# KiCad board glasgow_revD0.kicad_pcb (continued)
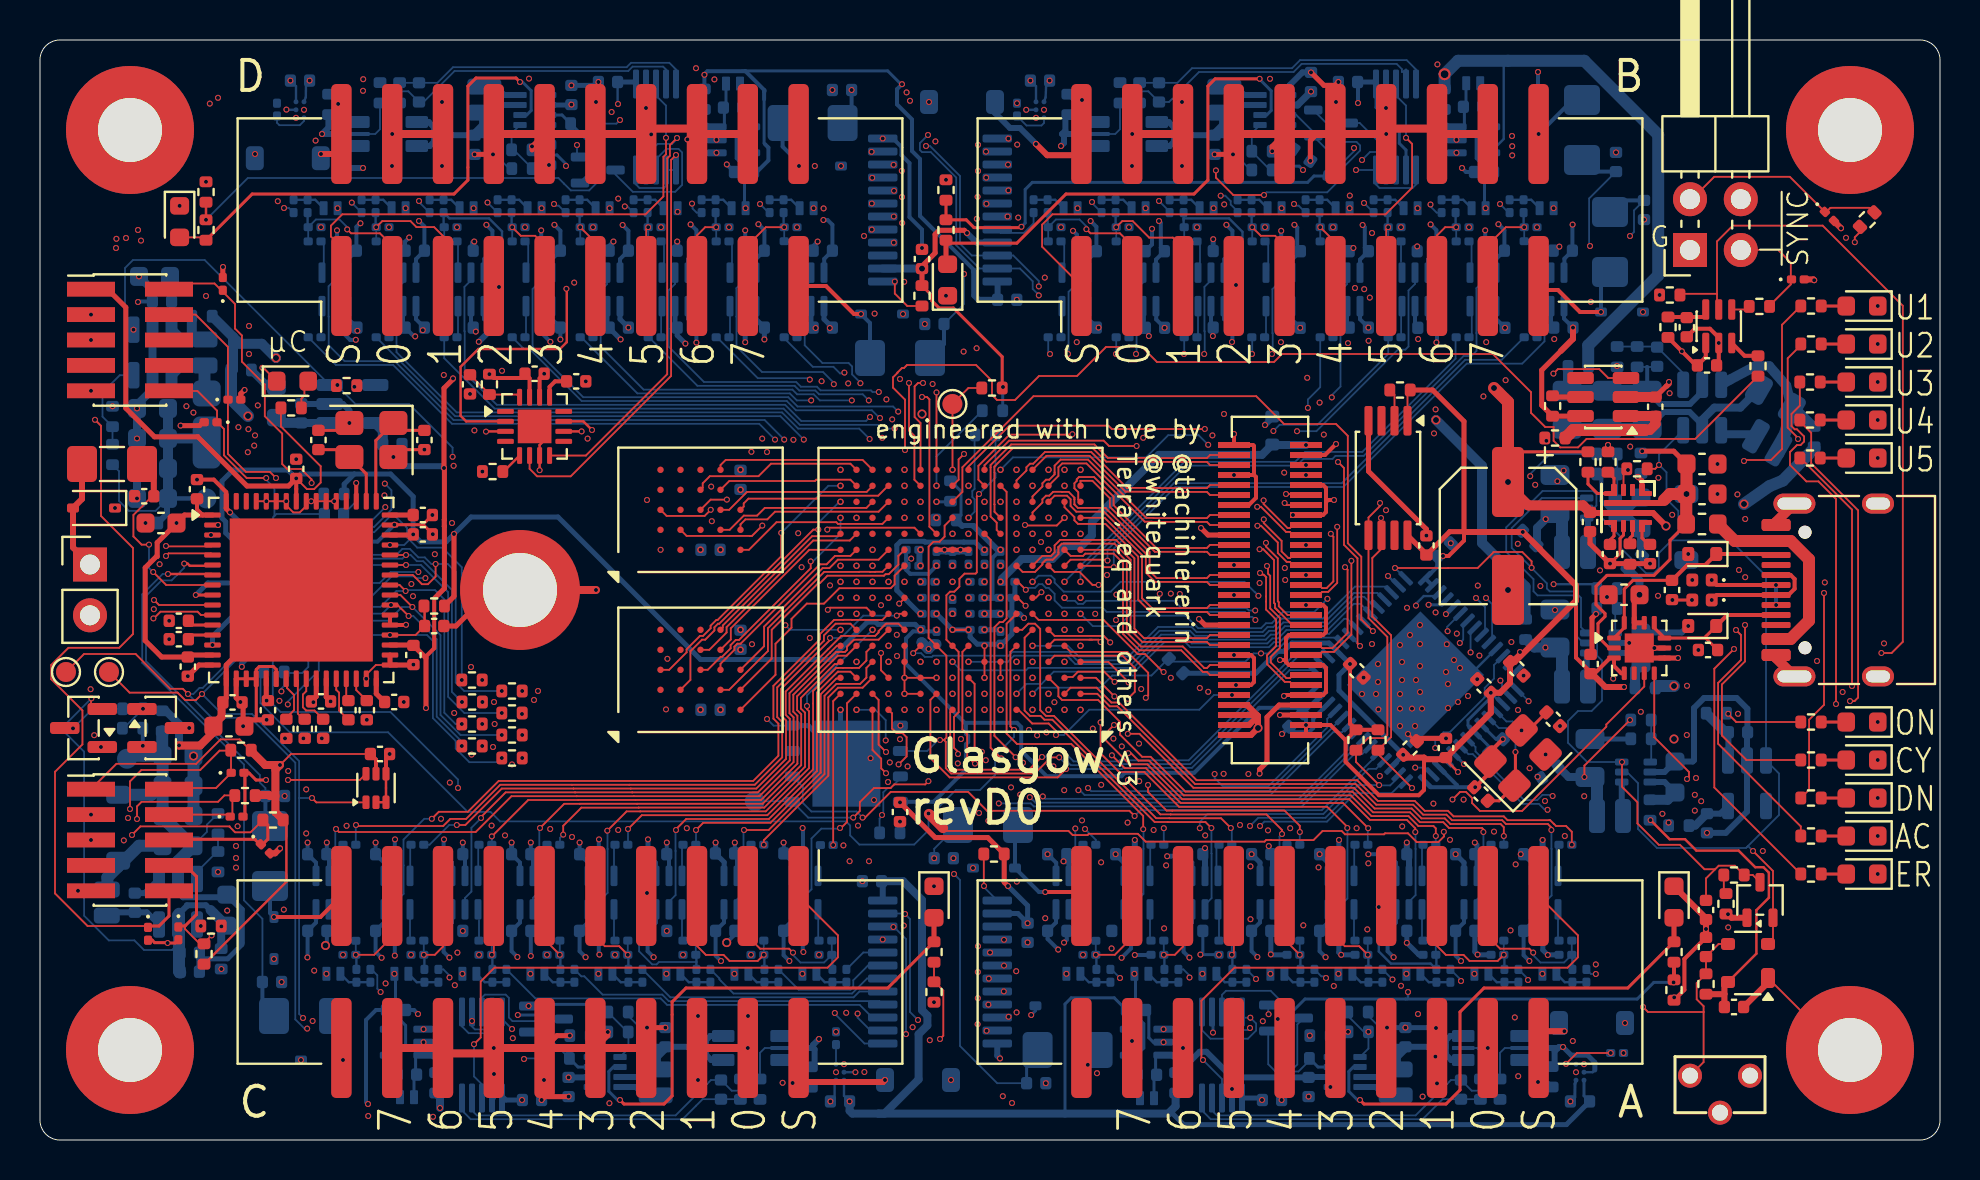
[diagram p0: board, top side]
## Routing (per net, layer and track width the routed paths; a pad name or vN(x,y) marks a point on that pad's centre or on a via; arc(x,y) is an arc through that point) (continued)
/SCLK: length 23.2
  In2.Cu w0.09: v1(24.11,22.45) 24.11,22.16 24.57,21.69 25.95,21.69 26.33,22.08 41.68,22.08 41.94,21.81 46.12,21.81 v1(46.43,21.51)
/SDA: length 248.9
  Top w0.09: v1(7.4,22.3) 7.14,22.56 6.52,22.56 4.78,24.3 2.2,24.3 TP1.1 ; v1(12.4,18) 12.41,18 15.99,18 U3.6 ; v1(66.96,17.75) 65.8,18.9 R7.1 66.4,20.09 67.2,20.09 67.37,20.26 67.37,25.16 66.43,26.1 U1.5 66.43,31.12 67,31.7 v1(67,31.85) ; v1(31.85,50.1) 31.5,49.75 31.5,49.21 31.36,49.08 31.36,38.29 27.29,34.22 U21.8 ; v1(70.62,17.03) 71,17.41 71.3,17.41 71.6,17.1 71.6,16.84 72,16.45 74.1,16.45 78.31,20.67 78.31,20.78 80.21,22.67 U4.6
  In2.Cu w0.09: 60.5,5.7 v1(60.5,5.6) 60.82,5.92 60.82,6.24 60.6,6.47 59.67,6.47 ; v1(44.4,50.25) 43.95,50.25 43.3,50.9 32.7,50.9 31.9,50.1 v1(31.85,50.1) ; v1(66.21,42.54) 66.21,42.44 66,42.23 60.05,42.23 59.98,42.16 59.42,42.16 59.35,42.23 v1(49.94,42.23) ; v1(13.36,5.57) 13.37,5.56 18.73,5.56 19.01,5.85 19.3,5.85 19.48,5.67 20.87,5.67 21.15,5.95 v1(21.6,5.95) 23.62,5.95 23.62,5.94 29.67,5.94 29.85,6.13 32.13,6.13 32.7,6.7 38.94,6.7 39.64,6 v1(43.9,6) 45.35,6 46.25,5.1 48.86,5.1 50.22,6.47 59.74,6.47 ; v1(70.62,17.03) 70.51,17.14 67.56,17.14 v1(66.96,17.75)
  In3.Cu w0.09: v1(44.03,23.91) 43.72,23.61 43.72,21.38 44,21.1 44,14.15 43.55,13.7 43.55,11.6 v1(43.25,11.3) ; v1(67,31.85) 66.05,32.8 66.05,42.28 66.21,42.44 v1(66.21,42.54) 66.28,42.61 66.28,45.47 66.5,45.69 66.5,48.59 v1(66.1,49) ; v1(60.5,5.6) 60.5,5.7 60.17,6.03 60.17,15.37 v1(60.5,15.7)
  Bottom w0.09: 59.7,5.75 59.95,5.5 60.4,5.5 v1(60.5,5.6) ; U70.4 30.3,49.22 30.88,49.81 31.6,49.81 31.85,50.05 v1(31.85,50.1) ; U24.23 43.22,11.33 v1(43.25,11.3) 43.5,11.05 43.5,6.4 v1(43.9,6) ; U58.2 21.6,5.68 21.75,5.53 22.27,5.53 22.6,5.86 U58.4 ; U2.16 67.93,18.15 67.51,17.73 66.97,17.73 v1(66.96,17.75) 65.91,17.75 64.27,16.11 60.91,16.11 v1(60.5,15.7) ; U46.4 67.3,49.22 67.12,49.4 66.5,49.4 v1(66.1,49) ; v1(13.36,5.57) 13.22,5.57 12.76,6.03 12.76,18 ; v1(12.4,18) 12.76,18 ; 12.76,18 12.76,18.86 10.52,21.11 8.59,21.11 v1(7.4,22.3) 7.67,22.3 7.97,22.61 8.14,22.61 10.52,24.99 10.52,26.32 10.99,26.79 U6.27 ; v1(49.94,42.23) 49.94,42.25 49.63,42.55 49.63,42.94 49,43.58 U25.23 46.97,43.58 45.81,44.74 45.81,48.12 44.54,49.39 44.1,49.39 44,49.5 44,49.84 v1(44.4,50.25)
/SYNC: length 33.6
  In2.Cu w0.09: v1(49.62,23.91) 49.13,23.42 48.62,23.42 48.54,23.5 47,23.5 46.89,23.61 43.02,23.61 42.91,23.5 21.9,23.5 21.61,23.21 21.61,21.62 21.8,21.43 21.8,20.67 21.98,20.5 22.9,20.5 22.96,20.56 23.22,20.56 23.28,20.5 23.86,20.5 v1(24.11,20.25)
/USB/CC1: length 7.7
  Top w0.15: D8.1 83.3,25.19 83.3,25.1 ; 80.71,25.61 U4.10 83.3,25.1 ; C14.1 83.3,25.08 83.3,25.1
  Top w0.2: J1.A5 84.36,26.25 D8.1
/USB/CC2: length 10.7
  Top w0.15: C15.1 79.65,27.98 79.21,27.55 U4.14 ; 79.21,25.61 U4.1
  Top w0.2: 86.75,29.3 D9.1 83.26,28.75 82.37,28.75 C15.1
/USB/VUSB: length 18.8
  Top w0.15: U4.2 78.46,24.6 77.9,25.16 77.9,25.83 78.25,26.18 78.25,26.32 77.8,26.77 77.8,27.68 78.35,28.23 80.7,28.23 81.5,29.03 81.5,29.99 FB1.2
  Top w0.25: v1(80.11,34.44) 81.69,34.44 C18.2
  Top w0.3: 81.2,32 81.05,31.85 U5.5
  Top w0.6: C18.2 v3(82.32,32.3) 81.5,32.3 81.2,32 ; FB1.2 82.31,32.29
/USB/xVBUS: length 10.4
  Top w0.6: FB1.1 84.74,29.95 J1.A9 87.53,29.95 88.45,29.03 88.45,25.97 87.53,25.05 J1.A4
/USB_N: length 30.8
  Top w0.2: v1(83.59,28) 83.84,27.75 v1(86.8,27.75)
  In2.Cu w0.09: v1(75.38,16.51) 75.38,16.55 75.63,16.8 75.85,16.8 76.39,16.27 77.08,16.27 77.62,16.81 82.74,16.81 82.88,16.94 v1(83.06,16.94)
  In3.Cu w0.09: v1(83.59,28) 83.78,27.81 83.78,27.62 83.28,27.13 83.28,26.87 83.4,26.76 83.4,18.07 83.1,17.78 83.09,17.78 82.88,17.56 82.61,17.56 82.44,17.39 82.44,17.13 82.61,16.95 83.05,16.95 v1(83.06,16.94)
  Bottom w0.09: v1(75.38,16.51) 75.34,16.55 75.2,16.55 74.95,16.8 74.13,16.8 71.64,19.29 71.42,19.29 U2.9
  Bottom w0.2: v1(86.81,26.75) 86.8,26.75 v1(86.8,27.75)
/USB_P: length 29.2
  Top w0.2: J1.B6 87.53,28.25 87.73,28.05 87.73,27.56 87.42,27.25 ; J1.A6 83.84,27.25 v1(83.59,27)
  In2.Cu w0.09: v1(82.74,17.26) 82.74,17.08 82.67,17 77.54,17 77,16.45 76.47,16.45 75.93,17 75.7,17 75.6,17.1 75.6,17.17 v1(75.63,17.2)
  In3.Cu w0.09: v1(83.59,27) 83.59,17.92 82.92,17.26 v1(82.74,17.26)
  Bottom w0.09: v1(75.63,17.2) 75.6,17.2 75.54,17.25 75.12,17.25 74.86,17 74.21,17 71.77,19.43 71.77,19.65 U2.8
/WR: length 36
  In2.Cu w0.09: v1(46.05,20.05) 46.1,20 49.24,20 49.31,19.93 49.98,19.93 49.98,19.93 52.51,19.93 53.16,20.58 53.34,20.75 53.34,20.82 53.82,21.3 61.25,21.3 61.5,21.06 61.5,20.47 62.07,19.9 64.35,19.9 65.65,21.2 71.3,21.2 72,21.9 72,22.38 72.53,22.91 72.96,22.91 v1(73.02,22.97)
  In3.Cu w0.09: v1(44.82,23.91) 44.52,23.61 44.52,21 45.08,20.44 45.5,20.44 45.89,20.05 v1(46.05,20.05)
  Bottom w0.09: 73.5,22.18 73.1,22.58 73.1,22.89 v1(73.02,22.97)
/XTALIN: length 5.8
  Top w0.15: C11.2 72.96,16.96 73.77,17.77 v1(73.77,19.4)
  Bottom w0.09: v1(73.77,19.4) 73.77,20.13 73.3,20.6 72.94,20.6 U2.5
/XTALOUT: length 3.3
  Top w0.15: v1(74.08,20.48) 74.42,20.48 C10.2
  Bottom w0.09: v1(74.08,20.48) 73.63,20.93 73.32,20.93 U2.4
/~{ALERT}: length 148.9
  Top w0.09: v1(61.2,47.25) 59.66,47.25 58.8,48.12 v1(58.8,48.48)
  In2.Cu w0.09: v1(24.7,22) 25.74,22 26.01,22.27 42.04,22.27 42.3,22 49.32,22 v1(49.62,22.31) ; v1(26.85,49.75) 26.85,49.35 27.25,48.94 33.97,48.94 34.23,49.2 40.17,49.2 40.7,49.73 43.39,49.73 43.73,49.39 44.84,49.39 45.84,50.38 48.79,50.38 50.16,49 58.27,49 v1(58.8,48.48)
  In3.Cu w0.09: v1(24.43,6.7) 24.43,7.03 23.56,7.89 23.56,14.43 24.55,15.41 24.55,21.85 v1(24.7,22) ; v1(61.43,6.29) 61.43,6.38 61.84,6.8 61.84,15 61.75,15.09 61.75,20.38 62.38,21.01 62.38,21.31 60.9,22.79 60.9,24.18 v1(61.05,24.33) 61.05,24.4 60.15,25.3 60.15,46.2 v1(61.2,47.25)
  Bottom w0.09: D101.2 27,49.2 26.85,49.35 v1(26.85,49.75) ; U2.33 64.93,24.9 64.71,25.12 62.48,25.12 62.06,24.7 61.77,24.7 61.4,24.33 v1(61.05,24.33) 60.68,24.33 60.27,23.92 56.58,23.92 R9.1 56.41,24.06 55.57,23.22 53.61,23.22 53,22.61 49.93,22.61 v1(49.62,22.31) ; v1(61.43,6.29) 61.43,6.34 61.41,6.36 D41.2 ; D61.2 65.26,49.91 65.83,49.91 66,49.73 66,49.47 64.94,48.41 64.94,47.97 64.36,47.39 61.34,47.39 v1(61.2,47.25)
  Bottom w0.25: v1(24.43,6.7) D81.2
/~{CY_RESET}: length 43.2
  Top w0.09: v1(67.75,28.6) 69.89,28.6 69.9,28.59 70.4,28.59 70.41,28.6 71.88,28.6 72.68,29.4 74.12,29.4 74.58,28.94 v1(74.58,28.61) ; 83.76,13.54 83.22,13.54 82,14.76 80.94,14.76 79.87,15.83 79.87,16.89 79.1,17.66 v1(79.1,18.9) ; 83.76,13.54 83.94,13.72 84.74,13.72 R68.2 85.64,13.25 D37.3 ; 83.76,13.54 83.3,13.08 C92.1
  Bottom w0.09: v1(67.75,28.6) 68.27,28.08 U2.42 ; U18.6 77.36,18.9 76.4,19.86 76.4,20.95 76.9,21.45 77.58,21.45 78.1,21.97 78.1,23.97 77.85,24.22 77.85,25.17 77.67,25.35 U14.6 77.05,25.64 77.05,27.11 76.73,27.43 75.49,27.43 75.34,27.57 75.34,27.83 74.58,28.59 v1(74.58,28.61) 73.59,29.61 73.59,30.59 75.09,32.1 U13.6
/~{FPGA_RESET}: length 130.5
  Top w0.09: U8.R9 45.93,33.02 45.93,34.03 v1(46.2,34.3) ; 5.47,10.7 2.38,10.7 0.75,12.33 0.75,18.41 2.12,19.78 2.12,21.48 0.56,23.04 0.56,23.75 1.42,24.61 3.96,24.61 4.65,25.3 4.65,29.6 3.05,31.2 3.05,35.71 v1(2.75,36.01) ; U20.3 78.41,38.1 77.97,38.54 75.89,38.54 v1(75.67,38.32) ; v1(64.9,33.9) 65.2,33.6 65.2,29.76 65.87,29.09 65.87,24.83 v1(66,24.7)
  Top w0.15: 5.47,10.7 5.95,10.7 6.45,11.2 J5.10
  In2.Cu w0.09: v1(75.67,38.32) 71.25,33.9 v1(64.9,33.9) 64.41,34.39 53.48,34.39 53.3,34.58 50.59,34.58 50.41,34.39 46.29,34.39 v1(46.2,34.3) 45.69,34.81 43,34.81 42.57,34.39 37.43,34.39 37.09,34.72 27.09,34.72 26.45,34.08 22.43,34.08 21.67,34.84 12.72,34.84 11.61,33.74 9.95,33.74 8.31,35.38 3.39,35.38 2.76,36.01 v1(2.75,36.01)
  Bottom w0.09: v1(66,24.7) 66,24.71 U2.34
CFG0: length 30.8
  In2.Cu w0.09: v1(18.92,28.4) 19.85,28.4 21.96,30.51 35.47,30.51 35.99,31.03 39.54,31.03 39.79,30.78 44.5,30.78 v1(44.82,31.11)
  Bottom w0.09: U6.14 16.98,27.85 17.53,28.4 v1(18.92,28.4)
CFG2: length 37.9
  In2.Cu w0.09: v1(19.27,28.09) 19.32,28.15 19.9,28.15 21.86,30.11 36.51,30.11 36.6,30.02 38.42,30.02 38.62,30.22 39.49,30.22 39.87,30.59 44.79,30.59 45.13,30.93 45.13,32.41 v1(44.82,32.71)
  Bottom w0.09: v1(19.27,28.09) 18.79,28.09 18.71,28.18 17.58,28.18 16.55,27.15 U6.15 ; R57.2 44.82,34.17 44.82,33.61 44.82,33.61 v1(44.82,32.71)
FLASH_~{HOLD}: length 40.3
  In2.Cu w0.09: v1(42.1,16.25) 41.45,16.25 40.3,17.4 21.1,17.4 v1(20.9,17.6)
  Bottom w0.09: U6.23 11.64,24.66 11.64,21.79 12.03,21.4 17.52,21.4 20.9,18.02 v1(20.9,17.6) ; U9.7 43.02,18.09 42.53,17.59 42.38,17.59 42.16,17.39 42.16,16.31 v1(42.1,16.25) 42.1,16.2 41.98,16.07 R39.2
LS_3V3: length 223.1
  Top w0.2: U10.1 83.29,39.15 C70.1 82.8,38.73 R48.2
  Top w0.25: 76.05,39.46 75.09,38.49 75.09,36.74 R72.2 77.02,36.19 U20.6
  Top w0.3: 76.05,39.46 76.65,40.06 v1(76.65,40.62)
  In2.Cu w0.25: v1(74.04,14.29) v1(70.78,14.29) v1(66.42,14.29) v1(63.98,14.29) v1(60.58,14.29) 60.39,14.29 60.29,14.19 v1(56.36,14.19) 53.88,14.19 v1(53.78,14.29) 51.36,14.29 51.34,14.32 50.41,14.32 v1(50.38,14.29) 50.38,14.3 50.07,14.61 40.86,14.61 40.27,15.2 37.51,15.2 v1(37.18,14.87) 36.77,14.46 36.51,14.46 36.37,14.33 36.01,14.33 35.87,14.46 34.19,14.46 v1(33.78,14.87) 33.4,14.49 30.94,14.49 v1(30.4,15.03) 30.01,14.64 27.21,14.64 v1(26.98,14.87) 26.59,14.49 23.97,14.49 v1(23.58,14.87) 23.19,14.49 20.74,14.49 v1(20.2,15.03) 19.81,14.64 17.01,14.64 v1(16.78,14.87) 16.4,14.49 13.76,14.49 v1(13.38,14.87)
  In2.Cu w0.3: v1(82.1,39.44) 81.94,39.28 81.01,39.28 80.26,40.03 77.24,40.03 v1(76.65,40.62) 76.29,40.62 76.16,40.49 73.68,40.49 73.56,40.61 v1(73.25,40.61) 72.86,40.61 72.75,40.5 70.44,40.5 v1(69.82,39.88) 69.2,40.5 66.89,40.5 66.77,40.62 v1(66.42,40.62) 66.11,40.62 66.1,40.61 v1(63.01,40.61) 60.31,40.61 v1(59.6,39.9) 58.89,40.61 v1(56.23,40.61) 53.2,40.61 53.19,40.62 44.64,40.62 44.41,40.39 39.39,40.39 39.03,40.03 v1(36.22,40.03) 36.22,40.04 35.86,40.4 33.35,40.4 v1(32.82,39.87) 32.25,40.44 29.83,40.44 29.65,40.62 v1(29.42,40.62) 27.61,40.62 27.49,40.5 26.49,40.5 v1(26.02,40.03) 25.7,40.35 23.09,40.35 22.65,39.91 v1(21.94,39.91) 20.28,39.91 19.57,40.62 19.27,40.62 v1(19.14,40.49) 19.01,40.62 16.03,40.62 v1(15.87,40.46)
  In3.Cu w0.25: v1(76.65,40.62) 76.65,18.34 76.69,17.59 76.64,17 75.96,16.19 75.19,15.89 74.04,14.73 v1(74.04,14.29)
  Bottom w0.2: U62.1 15.4,41.07 15.87,40.6 v1(15.87,40.46) ; U48.1 76.2,41.07 v1(76.65,40.62) ; v1(56.23,40.61) 55.81,41.03 55.81,41.68 U41.1 ; v1(63.01,40.61) 62.6,41.02 U47.1 ; U54.1 20.6,13.87 C180.2 20.18,15.01 v1(20.2,15.03) ; U42.1 69.4,41.06 C155.2 69.85,39.91 v1(69.82,39.88) ; C211.2 22.2,41.04 U67.1 ; U56.1 17.2,13.87 C187.2 v1(16.78,14.87) ; U60.1 13.8,13.87 C194.2 v1(13.38,14.87) ; v1(66.42,14.29) C136.2 67.8,13.87 U31.1 ; v1(26.98,14.87) C193.2 27.4,13.87 U59.1 ; v1(50.38,14.29) 50.81,13.86 50.81,13.22 U36.1 ; U55.1 30.8,13.87 C186.2 ; U51.1 24,13.87 C176.2 ; v1(32.82,39.87) C205.2 32.4,41.04 U66.1 ; U50.1 37.6,13.92 C175.2 37.19,14.86 v1(37.18,14.87) ; U65.1 18.8,41.04 19.14,40.7 v1(19.14,40.49) ; U43.1 59.2,41.04 C161.2 59.62,39.92 v1(59.6,39.9) ; v1(73.25,40.61) 72.8,41.06 U44.1 ; U71.1 25.6,41.04 C218.2 v1(26.02,40.03) ; v1(66.42,40.62) 66,41.04 U39.1
  Bottom w0.25: U27.1 61,13.87 v1(60.58,14.29) ; v1(70.78,14.29) 71.2,13.87 U29.1 ; U32.1 54.21,13.22 54.21,13.86 v1(53.78,14.29) ; U63.1 29,41.04 v1(29.42,40.62) ; C219.2 39.2,41.04 U72.1 ; v1(36.22,40.03) C212.2 35.8,41.04 U68.1 ; v1(23.58,14.87) C176.2 ; C186.2 30.4,14.31 v1(30.4,15.03) ; U38.1 52.4,41.04 C150.2 ; C125.2 74.61,13.86 74.61,13.22 U26.1 ; v1(33.78,14.87) 33.78,14.34 C179.2 34.21,13.89 34.21,13.22 U53.1 ; U35.1 64.4,13.87 v1(63.98,14.29) ; U30.1 57.59,13.22 57.59,13.88 C130.2 57.08,14.19 v1(56.36,14.19)
  Bottom w0.3: C211.2 22.62,40.59 v1(21.94,39.91)
  vias: v1(39.49,40.6) v1(52.93,40.62)
Net-(D1-A): length 1.3
  Top w0.15: D1.2 R1.2
Net-(D2-A): length 1.3
  Top w0.15: R2.2 D2.2
Net-(D3-A): length 1.3
  Top w0.15: D3.2 R3.2
Net-(D4-A): length 1.3
  Top w0.15: R4.2 D4.2
Net-(D5-A): length 1.3
  Top w0.15: D5.2 R5.2
Net-(D14-A): length 1.5
  Top w0.09: R28.2 13.07,37.07 13.22,37.22 13.22,37.75 D14.2
Net-(D24-A): length 1.3
  Top w0.15: D24.2 R41.2
Net-(D25-A): length 1.3
  Top w0.15: R42.2 D25.2
Net-(D26-A): length 1.3
  Top w0.15: D26.2 R43.2
Net-(D27-A): length 1.3
  Top w0.15: R44.2 D27.2
Net-(D28-A): length 1.3
  Top w0.15: D28.2 R45.2
Net-(D35-K): length 10.6
  Top w0.09: 89.3,46.39 89.52,46.61 91.49,46.61 R58.1 ; 82.51,46.96 83.71,48.16 87.49,48.16 D35.1
Net-(D42-A): length 2.9
  Bottom w0.15: R93.2 56.78,3.97 56.51,4.24 ; 55.78,4.14 55.78,3.38 ; D42.2 55.7,3.2
Net-(D43-A): length 1.7
  Bottom w0.12: R118.1 R110.2 76.24,7.89 D43.2
Net-(D44-A): length 1.7
  Bottom w0.12: R119.1 R111.2 72.84,7.89 D44.2
Net-(D45-A): length 1.7
  Bottom w0.12: D45.2 69.44,7.89 R112.2 R120.1
Net-(D46-A): length 1.7
  Bottom w0.12: R121.1 R113.2 66.04,7.89 D46.2
Net-(D47-A): length 1.7
  Bottom w0.12: R122.1 R114.2 62.64,7.89 D47.2
Net-(D48-A): length 1.7
  Bottom w0.12: R123.1 R115.2 59.24,7.89 D48.2
Net-(D49-A): length 1.7
  Bottom w0.12: D49.2 55.84,7.89 R116.2 R124.1
Net-(D50-A): length 1.7
  Bottom w0.12: R125.1 R117.2 52.44,7.89 D50.2
Net-(D62-A): length 3.1
  Bottom w0.15: 70.49,50.66 70.22,50.93 R135.2 ; 71.22,50.76 71.22,51.61 C173.2 71.3,51.79 71.3,52.83 D62.2
Net-(D63-A): length 1.7
  Bottom w0.12: R160.1 R152.2 50.76,47.01 D63.2
Net-(D64-A): length 1.7
  Bottom w0.12: R161.1 R153.2 54.16,47.01 D64.2
Net-(D65-A): length 1.7
  Bottom w0.12: D65.2 57.56,47.01 R154.2 R162.1
Net-(D66-A): length 1.7
  Bottom w0.12: D66.2 60.96,47.01 R155.2 R163.1
Net-(D67-A): length 1.7
  Bottom w0.12: D67.2 64.36,47.01 R156.2 R164.1
Net-(D68-A): length 1.7
  Bottom w0.12: R165.1 R157.2 67.76,47.01 D68.2
Net-(D69-A): length 1.7
  Bottom w0.12: R166.1 R158.2 71.16,47.01 D69.2
Net-(D70-A): length 1.7
  Bottom w0.12: R167.1 R159.2 74.56,47.01 D70.2
Net-(D82-A): length 2.8
  Bottom w0.15: D82.2 18.7,3.2 ; 18.78,4.14 18.78,3.38 ; R177.2 19.78,3.97 19.51,4.24
Net-(D83-A): length 1.7
  Bottom w0.12: D83.2 39.24,7.89 R194.2 R202.1
Net-(D84-A): length 1.7
  Bottom w0.12: D84.2 35.84,7.89 R195.2 R203.1
Net-(D85-A): length 1.7
  Bottom w0.12: R204.1 R196.2 32.44,7.89 D85.2
Net-(D86-A): length 1.7
  Bottom w0.12: D86.2 29.04,7.89 R197.2 R205.1
Net-(D87-A): length 1.7
  Bottom w0.12: R206.1 R198.2 25.64,7.89 D87.2
Net-(D88-A): length 1.7
  Bottom w0.12: D88.2 22.24,7.89 R199.2 R207.1
Net-(D89-A): length 1.7
  Bottom w0.12: R208.1 R200.2 18.84,7.89 D89.2
Net-(D90-A): length 1.7
  Bottom w0.12: D90.2 15.44,7.89 R201.2 R209.1
Net-(D102-A): length 2.9
  Bottom w0.15: D102.2 34.3,51.7 ; 33.49,50.66 33.22,50.93 R219.2 ; 34.22,50.76 34.22,51.52
Net-(D103-A): length 1.7
  Bottom w0.12: R244.1 R236.2 13.76,47.01 D103.2
Net-(D104-A): length 1.7
  Bottom w0.12: R245.1 R237.2 17.16,47.01 D104.2
Net-(D105-A): length 1.7
  Bottom w0.12: D105.2 20.56,47.01 R238.2 R246.1
Net-(D106-A): length 1.7
  Bottom w0.12: D106.2 23.96,47.01 R239.2 R247.1
Net-(D107-A): length 1.7
  Bottom w0.12: D107.2 27.36,47.01 R240.2 R248.1
Net-(D108-A): length 1.7
  Bottom w0.12: D108.2 30.76,47.01 R241.2 R249.1
Net-(D109-A): length 1.7
  Bottom w0.12: D109.2 34.16,47.01 R242.2 R250.1
Net-(D110-A): length 1.7
  Bottom w0.12: R251.1 R243.2 37.56,47.01 D110.2
Net-(Q1-D): length 2.9
  Bottom w0.09: v1(1.65,20.58) 2.63,21.56 R75.1
Net-(Q1-G): length 175.1
  Top w0.09: v1(85.65,14.45) 86.65,13.45 D37.2 86.65,10.05 U16.2 ; v1(80.95,33.75) 80.76,33.56 R60.2 ; 3.12,19.71 3.06,19.65 v1(3.05,19.65) 2.89,19.65
  In2.Cu w0.09: v1(20.63,34.16) 20.64,34.15 21.82,34.15 22.86,33.12 45.86,33.12 45.97,33.02 47.53,33.02 48.15,32.4 48.25,32.4 48.25,32.41 49.23,32.41 49.42,32.22 49.83,32.22 49.91,32.29 61.3,32.29 61.49,32.11 61.49,31.79 61.74,31.55 62.36,31.55 62.54,31.73 64.54,31.73 64.57,31.69 65.99,31.69 66.88,30.8 67.18,30.8 67.93,31.55 71.42,31.55 73.78,33.91 79.17,33.91 79.27,33.81 80.89,33.81 v1(80.95,33.75)
  In3.Cu w0.09: v1(3.05,19.65) 3.05,20.36 5.31,22.62 5.31,23.73 6,24.42 6,27.11 6.71,27.81 6.71,29.66 7.13,30.08 7.13,31.28 6.92,31.49 6.92,33.26 7.13,33.47 7.13,35.12 4.68,37.58 v1(4.68,40.51)
  Bottom w0.09: U15.3 80.95,34.28 v1(80.95,33.75) 80.96,33.75 81.33,33.38 81.33,32.04 81.91,31.45 81.91,30.31 81.58,29.98 ; U18.5 79.34,18.4 79.9,17.84 79.9,15.55 80.85,14.6 85.3,14.6 85.35,14.65 ; 85.35,14.65 85.4,14.69 85.41,14.69 v1(85.65,14.45) ; 85.35,14.65 86.95,16.25 86.95,18.32 U17.3 86.3,28.2 84.52,29.98 81.58,29.98 ; 81.58,29.98 80.94,29.34 80.94,28.59 80.69,28.34 80.3,28.34 79.04,29.6 79.04,30.16 77.59,31.6 77.7,31.6 77.82,31.72 77.82,32.29 77.66,32.45 75.13,32.45 73.31,30.63 73.31,29.41 74.68,28.04 74.68,27.44 74.88,27.23 76.66,27.23 76.85,27.03 76.85,25.17 77.17,24.85 U14.5 ; v1(4.68,40.51) 4.25,40.94 4.25,43.6 4.65,44 8.23,44 U19.3 v1(14.87,37.75) 14.87,37.7 15.77,36.8 18.45,36.8 20.63,34.62 v1(20.63,34.16)
Net-(Q2-G): length 1.6
  Top w0.09: 5.2,21.46 5.11,21.55 5.03,21.55
  Bottom w0.09: v1(5.15,21.56) 4.18,20.59 R77.2
Net-(R67-Pad2): length 1
  Top w0.09: R67.2 84.3,12.41 84.19,12.52 R68.1
Net-(R89-Pad1): length 2.3
  Bottom w0.09: R90.2 71.84,4.6 72.05,4.39 72.05,3.08
Net-(R90-Pad3): length 2.5
  Bottom w0.09: R91.1 73,4.36 73.24,4.6 R90.3
Net-(R131-Pad1): length 2.3
  Bottom w0.09: R132.2 55.16,50.3 54.95,50.51 54.95,51.82
Net-(R132-Pad3): length 2.5
  Bottom w0.09: R132.3 53.76,50.3 54,50.54 R133.1
Net-(R173-Pad1): length 2.3
  Bottom w0.09: 35.05,3.08 35.05,4.39 34.84,4.6 R174.2
Net-(R174-Pad3): length 2.5
  Bottom w0.09: R174.3 36.24,4.6 36,4.36 R175.1
Net-(R215-Pad1): length 2.3
  Bottom w0.09: R216.2 18.16,50.3 17.95,50.51 17.95,51.82
Net-(R216-Pad3): length 2.5
  Bottom w0.09: R217.1 17,50.54 16.76,50.3 R216.3
Net-(U1-A1): length 1.6
  Top w0.09: U1.2 67.72,37.27 R6.1
Net-(U5-DVDT): length 1
  Top w0.15: U5.7 78.7,30.2 78.5,30 C19.2
Net-(U5-EN): length 1
  Top w0.25: v1(79.89,33.16) 80.1,32.95 U5.1
  Bottom w0.25: v1(79.89,33.16) 79.89,33.17 R22.1
Net-(U5-ILM): length 0.9
  Top w0.15: R23.1 79.5,30.1 79.62,30.22 U5.9
Net-(U5-ITIMER): length 1.1
  Top w0.15: U5.10 80.1,30.1 80.42,29.78
Net-(U5-PGTH): length 2.9
  Top w0.15: R25.1 78.7,33.09 U5.4 ; U5.4 77.88,32.33 77.4,32.8 R24.2
Net-(U7-AICOM): length 9.2
  Top w0.09: 5.74,32.16 5.58,32.16 4.67,31.25 4.67,30.18 5.08,29.77 v1(5.45,29.77) ; v1(5.66,28.4) 6.31,27.75 U7.8
  Top w0.3: C51.1 5.69,33.21
  Bottom w0.09: v1(5.66,28.4) 5.65,28.4 5.45,28.6 v1(5.45,29.77)
Net-(U7-EXTCLK/XI): length 3.7
  Top w0.15: U7.50 16.31,33.31 Y2.3 ; C38.1 15.1,34.52
Net-(U7-LDO_DIG): length 1.2
  Top w0.25: C45.1 U7.48
Net-(U7-REF_EXT): length 1.3
  Top w0.25: U7.32 16.81,22.32 C44.1
Net-(U7-XO): length 5.4
  Top w0.15: C36.1 18.04,35.48 ; 16.79,31.96 16.79,34.97 Y2.1
Net-(U8I-CFG_1): length 0.7
  Bottom w0.15: v1(44.82,31.91) 45.49,31.91 R56.2
Net-(U10-A): length 1.6
  Top w0.2: R46.1 85.23,39.21 U10.3
Net-(U10-B): length 0.9
  Top w0.09: U10.4 85.31,41.53 R50.2
Net-(U10-DIR): length 88.1
  Top w0.09: 83.85,41.61 83.85,42.3 ; 83.85,42.3 83.85,44.93 84.64,45.72 89.13,45.72 93.14,41.71 93.14,24.91 92.58,24.35 v1(92.07,24.35) ; 83.85,42.3 83.84,42.3 83.83,42.31 82.06,42.31 R47.1 ; v1(42.05,24.35) 42.05,23.48 U8.C13
  In2.Cu w0.09: v1(42.05,24.35) 42.5,24.35 42.79,24.64 43.79,24.64 44.19,24.25 46.52,24.25 47.08,23.69 48.62,23.69 48.7,23.61 48.95,23.61 49.14,23.8 49.14,23.86 49.5,24.22 51.35,24.22 51.62,23.95 56.06,23.95 56.56,23.45 65.59,23.45 66.54,24.4 70.97,24.4 71.54,23.83 73.86,23.83 73.91,23.88 74.45,23.88 74.53,23.8 82.03,23.8 82.31,24.08 88.47,24.08 88.74,24.35 v1(92.07,24.35)
Net-(U10-VCCB): length 2.3
  Top w0.2: R48.1 83.29,41.15 U10.6
Net-(U13-FB): length 2.1
  Bottom w0.09: R61.2 78.86,32.2
Net-(U13-SW): length 1.7
  Bottom w0.3: L2.1 77.4,31.04 U13.4
Net-(U14-FB): length 2.5
  Bottom w0.09: U14.1 78.76,26.47 R64.1 R63.2 79.07,27.57
Net-(U14-SW): length 1.6
  Bottom w0.3: U14.4 77.34,22.73
Net-(U15-SW): length 1.8
  Bottom w0.4: U15.1 84.26,35.29 85.6,35.29 85.7,35.19
Net-(U15-V_{FB}): length 3.8
  Bottom w0.09: R66.1 80.83,39.67 ; C87.2 82.16,38.34
Net-(U18-FB): length 2.1
  Bottom w0.09: 80.56,18.95 R71.1 R70.2
Net-(U18-SW): length 1.6
  Bottom w0.3: U18.4 79.09,16.26
Net-(U19-VIN): length 2.8
  Bottom w0.4: 13.06,35.86 13.07,35.85 U19.1
  Bottom w0.5: 13.06,35.86 12.08,35.86 FB2.2
Net-(U20-QOD): length 1.4
  Top w0.25: R72.1 75.69,37.15 U20.5
Net-(U21-CAP): length 1.5
  Top w0.2: C104.1 25.75,37.93 25.48,37.66 U21.13
Net-(U21-GPIO/SDO): length 1.1
  Top w0.12: 23.18,33.42 U21.5
Net-(U21-VREF): length 2.9
  Top w0.09: R73.2 23.84,37.27 U21.16 ; 22.47,37.29 C100.2
Net-(U22-BS): length 1.5
  Bottom w0.3: C107.1 5.24,12.34 U22.1
Net-(U24-~{INT}): length 2.6
  Top w0.09: v1(47.2,12.7) 47.19,12.71 R82.2
  Bottom w0.09: v1(47.2,12.7) 47.2,12.64 U24.1
Net-(U25-~{INT}): length 2.2
  Top w0.09: v1(42.74,42.92) 42.74,42.32 43.36,41.7 R83.2
Net-(U28-S-CONF): length 1.1
  Bottom w0.15: U28.8 64.52,5.21
Net-(U28-SW): length 1.4
  Bottom w0.3: U28.4 66.8,2.65 67.22,2.23
Net-(U28-VOS): length 11.6
  Bottom w0.09: R87.1 66.41,6.21 66.85,5.77 66.85,5.16 C134.1
  Bottom w0.3: 70.3,4.66 C131.1 C134.1 ; 70.3,4.66 70.3,4.26 70.56,4 R90.1 ; 70.3,4.66 70.3,4.99 70.51,5.2 R90.1 ; U28.3 66.88,3.15 67.11,3.38
  Bottom w0.5: C131.1 67.78,4.17 L7.2 67.78,4.22 C134.1
Net-(U33-Gate): length 3
  Top w0.09: v1(78.53,4.35) 76.84,4.35 v1(76.3,3.81)
  Bottom w0.09: U33.A2 76.32,3.79 v1(76.3,3.81)
Net-(U34-~{Alert}): length 10.9
  Bottom w0.09: U34.3 59.1,7.26 59.3,7.46 61.53,7.46 62.23,6.76 62.23,4.58 62.03,4.38 62.03,3.78 62.2,3.61 62.7,3.61 62.87,3.78 62.87,5.78 D41.3
Net-(U40-S-CONF): length 1.1
  Bottom w0.15: U40.8 62.48,49.69
Net-(U40-SW): length 1.4
  Bottom w0.3: U40.4 60.2,52.25 59.78,52.67
Net-(U40-VOS): length 11.6
  Bottom w0.09: R129.1 60.53,48.5 60.15,48.88 60.15,49.74 C159.1
  Bottom w0.3: 56.7,50.24 56.7,49.91 56.49,49.7 R132.1 ; 56.7,50.24 C156.1 C159.1 ; 56.7,50.24 56.7,50.64 56.44,50.9 R132.1 ; U40.3 60.12,51.75 59.89,51.52
  Bottom w0.5: C156.1 59.22,50.72 L8.2 59.22,50.67 C159.1
Net-(U45-Gate): length 1.9
  Bottom w0.09: C167.1 49.32,50.72 50.07,50.72 50.2,50.85 U45.A2
Net-(U46-~{Alert}): length 3.7
  Bottom w0.09: U46.3 67.8,49.04 65.99,50.85 D61.3
Net-(U52-S-CONF): length 1.1
  Bottom w0.15: U52.8 27.52,5.21
Net-(U52-SW): length 1.4
  Bottom w0.3: U52.4 29.8,2.65 30.22,2.23
Net-(U52-VOS): length 11.6
  Bottom w0.09: C184.1 29.85,5.16 29.85,5.77 29.41,6.21 R171.1
  Bottom w0.3: R174.1 33.56,4 33.3,4.26 33.3,4.66 ; 33.3,4.66 C181.1 C184.1 ; 33.3,4.66 33.3,4.99 33.51,5.2 R174.1 ; 30.11,3.38 29.88,3.15 U52.3
  Bottom w0.5: C184.1 30.78,4.22 L9.2 30.78,4.17 C181.1
Net-(U57-Gate): length 1
  Bottom w0.09: C192.1 U57.A2
Net-(U58-~{Alert}): length 6
  Bottom w0.09: U58.3 22.1,7.12 22.25,7.27 23.28,7.27 23.44,7.11 23.44,6.12 23.62,5.94 26.08,5.94 D81.3
Net-(U64-S-CONF): length 1.1
  Bottom w0.15: U64.8 25.48,49.69
Net-(U64-SW): length 1.4
  Bottom w0.3: 22.78,52.67 23.2,52.25 U64.4
Net-(U64-VOS): length 11.6
  Bottom w0.09: C209.1 23.15,49.74 23.15,48.88 23.46,48.57 R213.1
  Bottom w0.3: 22.89,51.52 23.12,51.75 U64.3 ; R216.1 19.49,49.7 19.7,49.91 19.7,50.24 ; R216.1 19.44,50.9 19.7,50.64 19.7,50.24 ; C209.1 C206.1 19.7,50.24
  Bottom w0.5: C206.1 22.22,50.72 L10.2 22.22,50.67 C209.1
Net-(U69-Gate): length 2
  Bottom w0.09: U69.A2 13.2,50.95 12.99,50.74 11.97,50.74 11.85,50.86 C217.1
Net-(U70-~{Alert}): length 7.8
  Bottom w0.09: U70.3 30.8,49.04 31.32,49.56 31.93,49.56 32.1,49.38 32.1,47.75 31.76,47.41 29.64,47.41 28.78,48.28 28.78,48.5

## Copper pours and planes (outline as drawn; the poured copper is in the pictures)
+1V1 on In3.Cu: 45.25,28.27 44.75,29.01 44.75,29.87 47.5,29.87 47.5,25.8 45.25,25.8
+1V8 on In3.Cu: 43.25,36.75 44.75,36.75 44.75,28.25 43.25,28.25
+3V3 on In3.Cu: 43.25,28.32 45,28.32 45,25 43.25,25
GND on Bottom, In1.Cu, In4.Cu: 0,55 95,55 95,0 0,0
/Power/BOOST_OUT15V on Bottom: 9.32,33.38 9.32,36.38 7.53,36.38 7.03,37.08 7.03,37.18 5.62,37.18 5.62,31.38 7.12,31.38 7.12,33.38

## Text on the board
B.Silkscreen: GND | REM | ~{SYNC} | DIRECT | Fully Automated / 2026 | glasgow-embedded.org
User.Drawings: Bank D | Bank C | Bank B | Bank A | 35.56mm spacing between inner / pin rows.
F.Silkscreen: engineered with love by | @tachiniererin / @whitequark / Terra, eq and others <3 | µC | G | ~{SYNC} | U1 / U2 / U3 / U4 / U5 | ON / CY / DN / AC / ER | S / 0 / 1 / 2 / 3 / 4 / 5 / 6 / 7 | 7 / 6 / 5 / 4 / 3 / 2 / 1 / 0 / S | D | C | B | A | Glasgow / revD0
